# KiCad board haasoscope_pro_adc_fpga_board.kicad_pcb
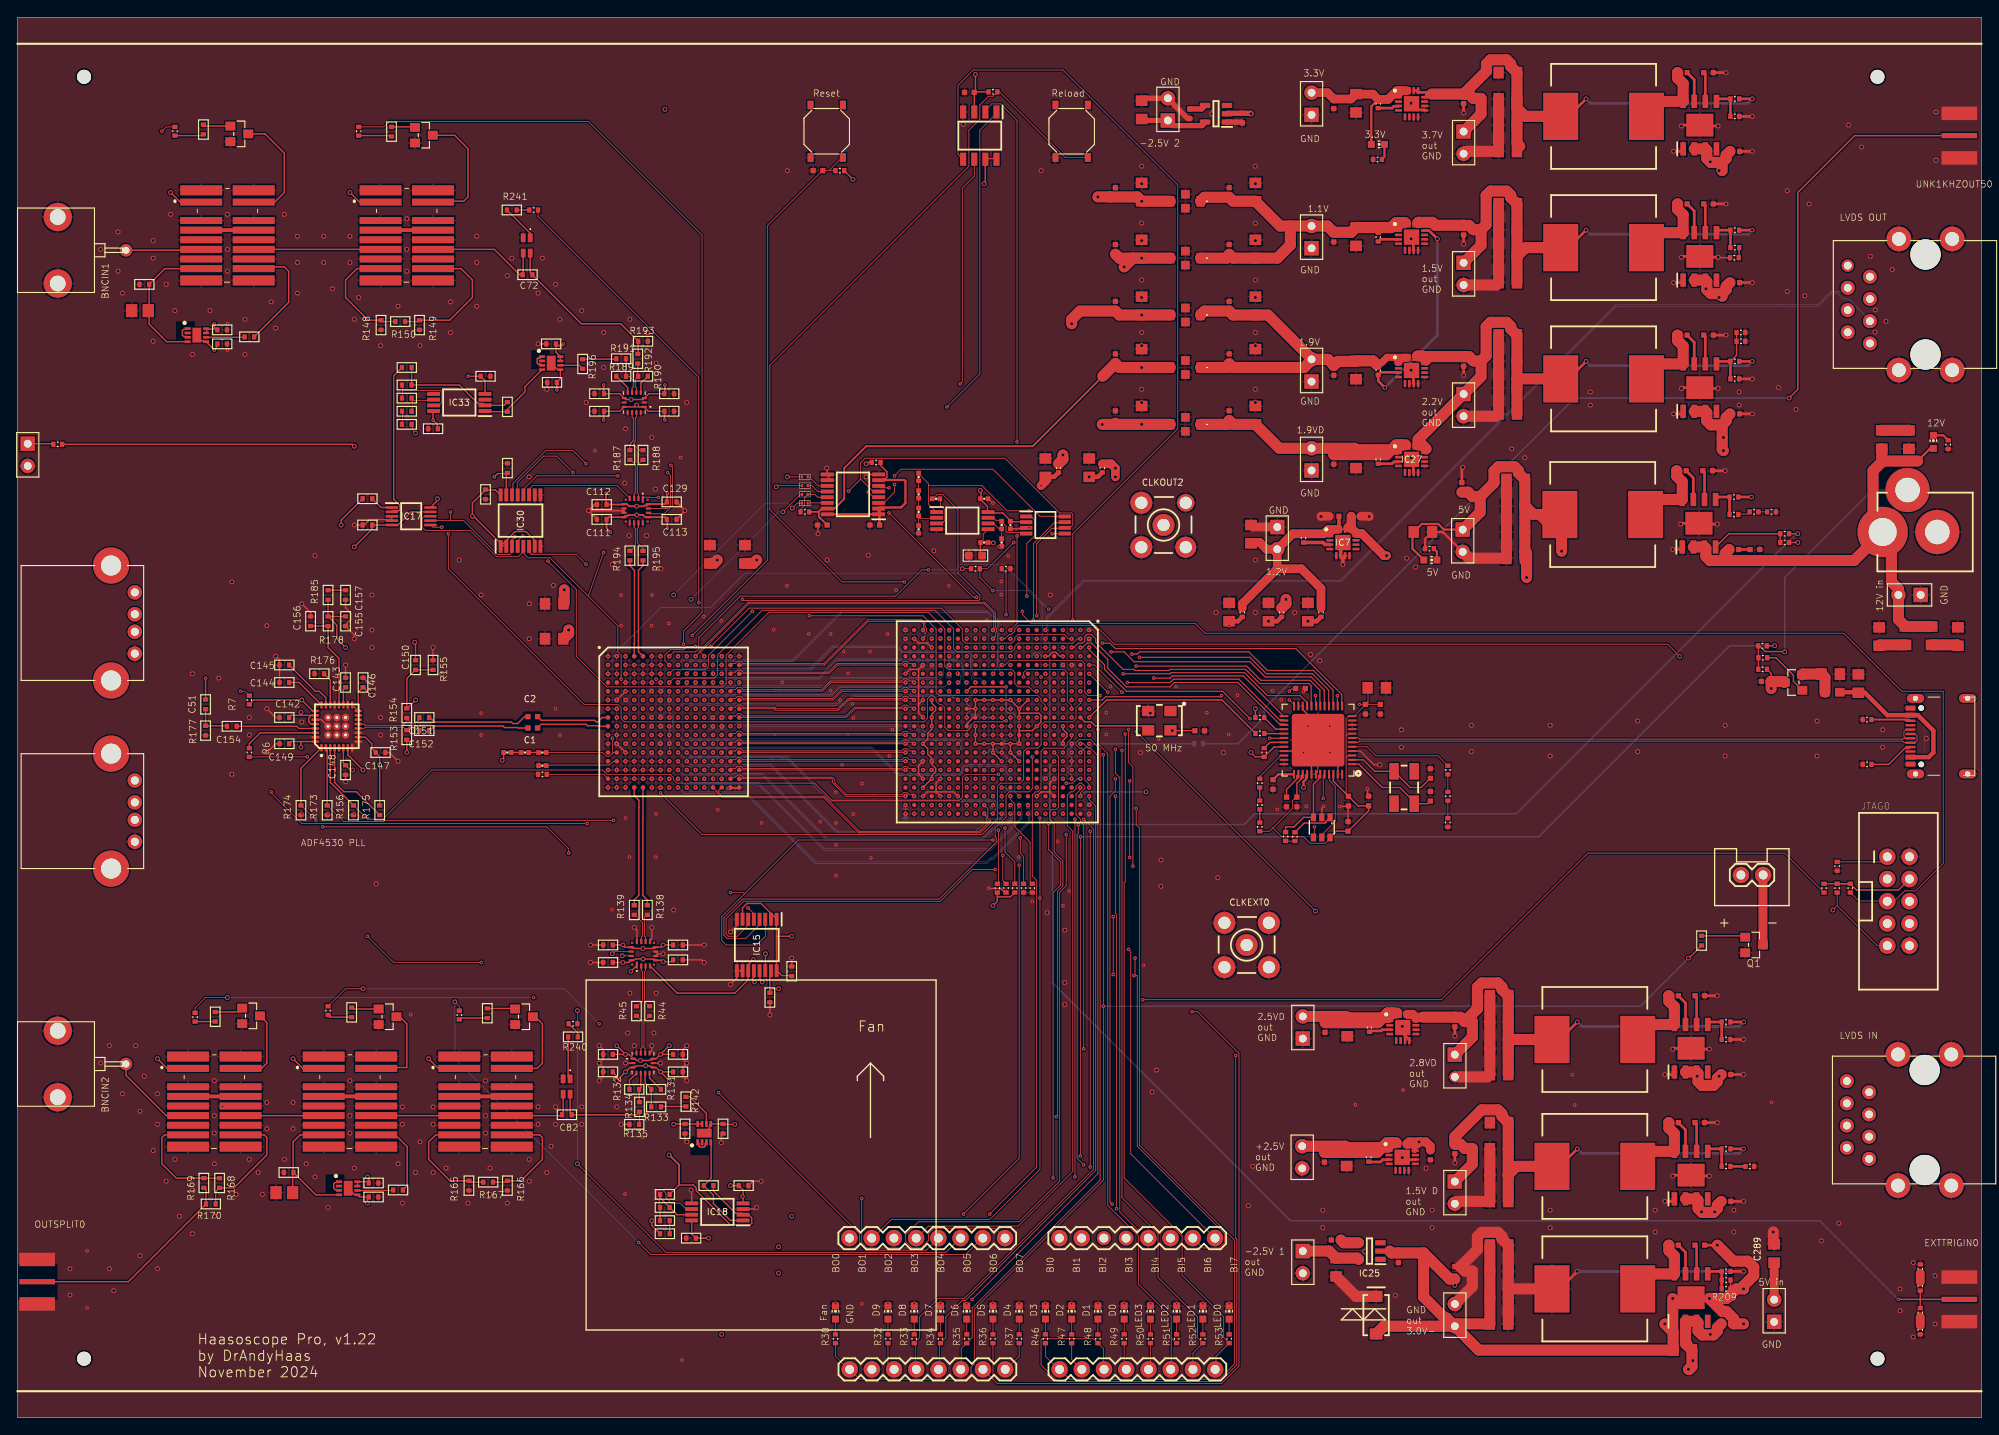
[diagram p0: board, top side]
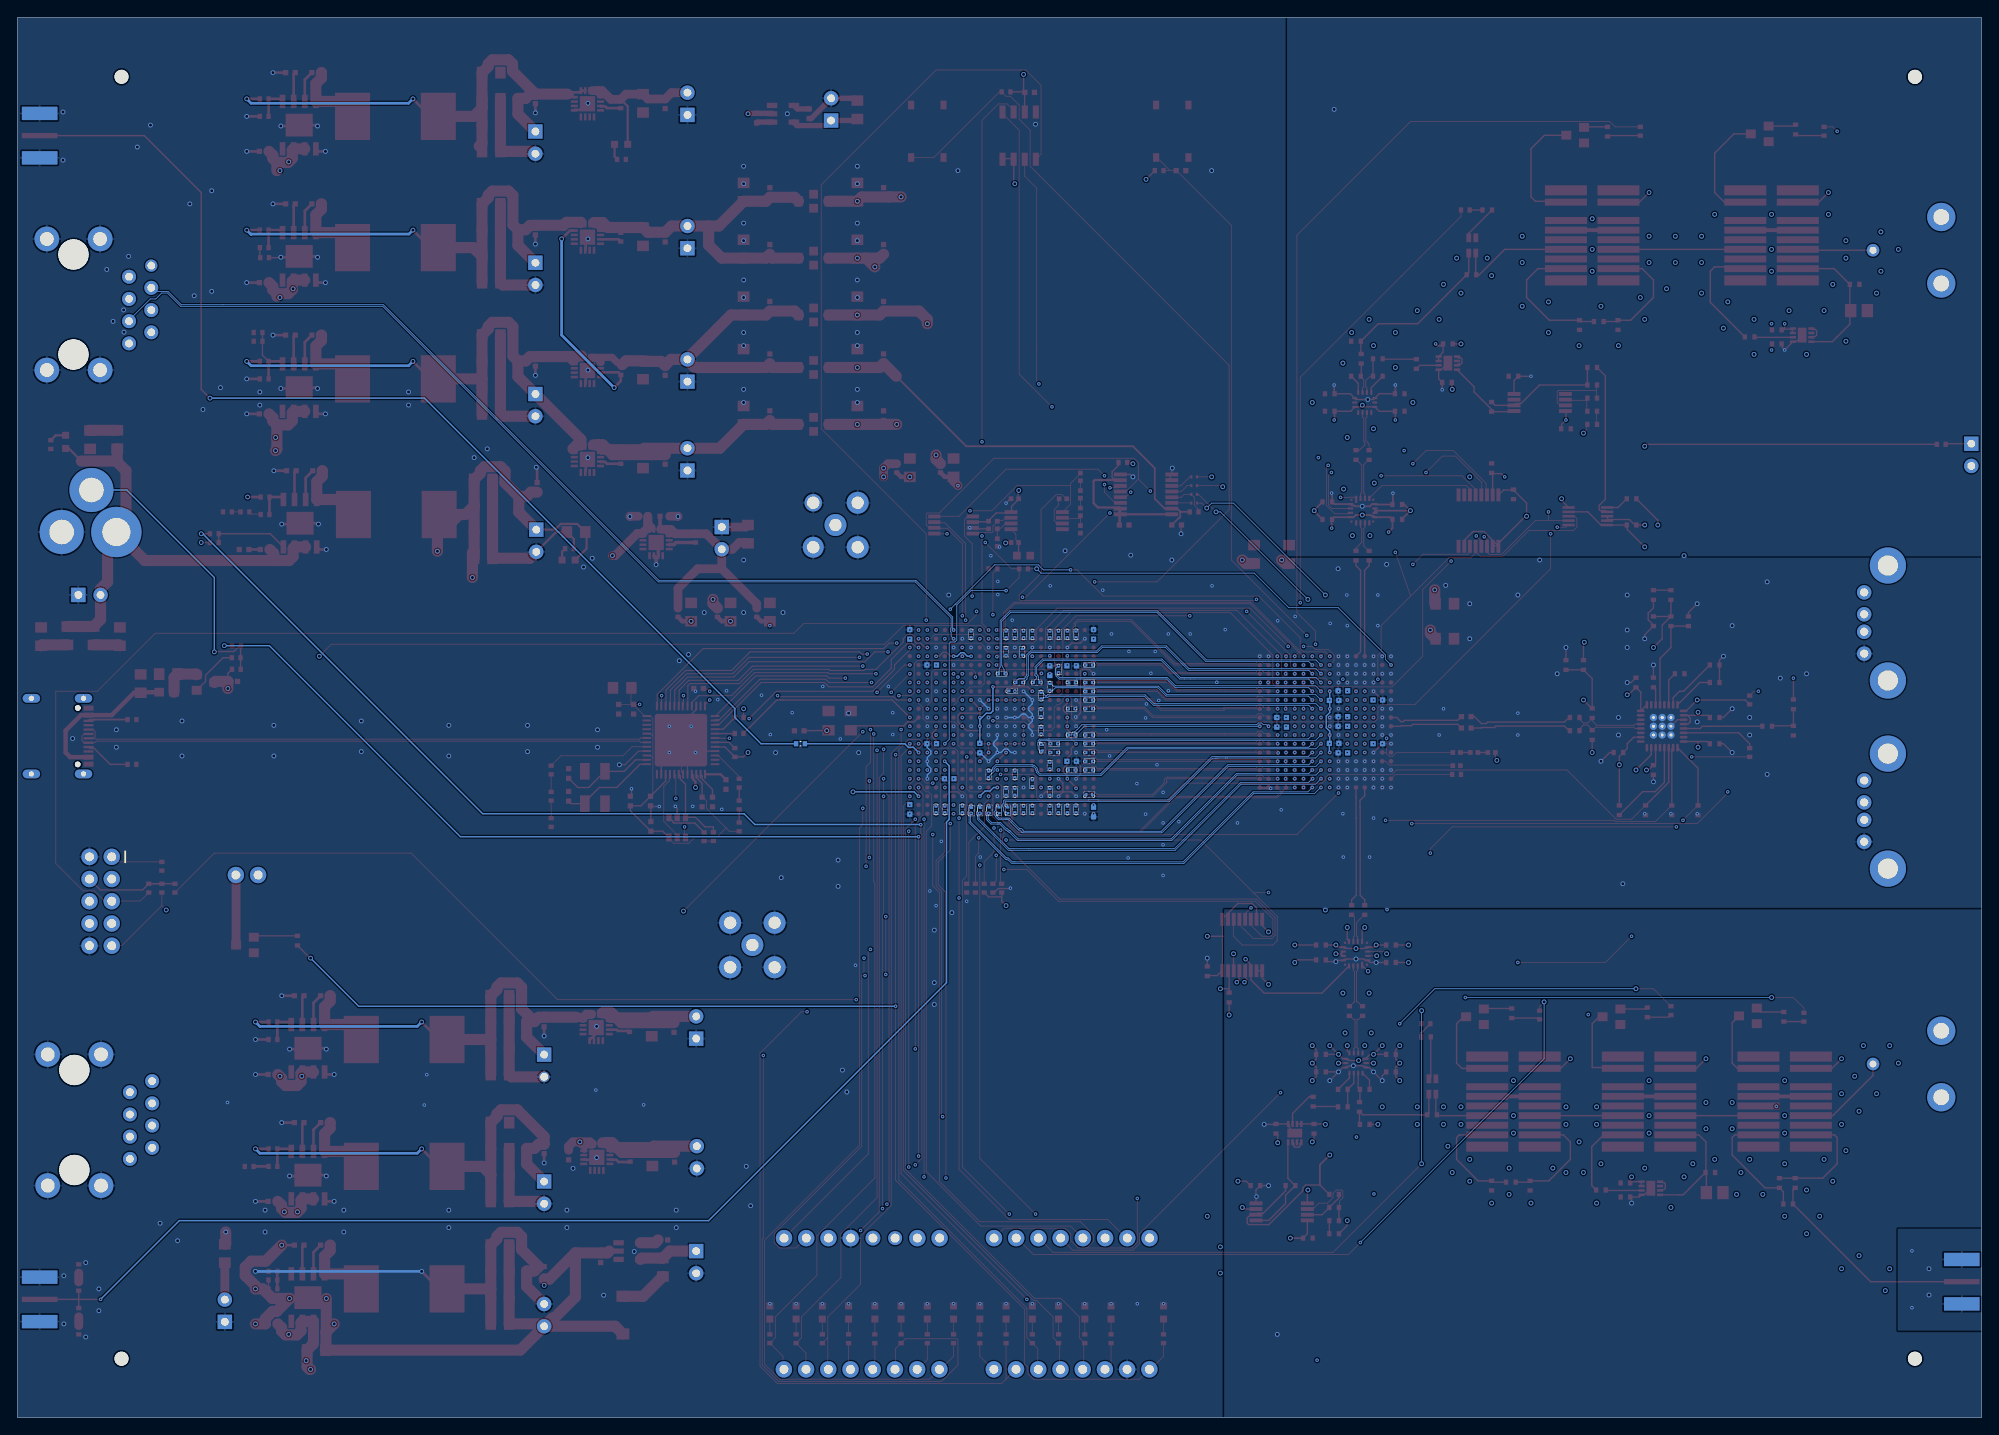
[diagram p1: board, bottom side, seen from below]

Outline 224.5 x 160 mm; copper layers: Top, In1.Cu, In2.Cu, In3.Cu, In4.Cu, In5.Cu, In6.Cu, In7.Cu, In8.Cu, Bottom. Coordinates in mm from the lower left corner of the outline.
Outline path: 0,160 0,0 224.5,0 224.5,160 0,160
Stack: Top 0.035mm / dielectric 0.1367mm FR4 er 4.5 / In1.Cu 0.035mm / dielectric 0.1367mm FR4 er 4.5 / In2.Cu 0.035mm / dielectric 0.1367mm FR4 er 4.5 / In3.Cu 0.035mm / dielectric 0.1367mm FR4 er 4.5 / In4.Cu 0.035mm / dielectric 0.1367mm FR4 er 4.5 / In5.Cu 0.035mm / dielectric 0.1367mm FR4 er 4.5 / In6.Cu 0.035mm / dielectric 0.1367mm FR4 er 4.5 / In7.Cu 0.035mm / dielectric 0.1367mm FR4 er 4.5 / In8.Cu 0.035mm / dielectric 0.1367mm FR4 er 4.5 / Bottom 0.035mm

## Placement (name value [footprint] x y rotation side)
@HOLE0  -  [unnamed]  7.61 153.22 0 top
@HOLE1  -  [unnamed]  7.61 6.72 0 top
@HOLE2  -  [unnamed]  212.61 6.72 0 top
@HOLE3  -  [unnamed]  212.61 153.22 0 top
BNCIN1  MOLEX_BNC_73100-0105  [MOLEX-BNC-73100-0105]  8.5 133.4 270 top
BNCIN2  MOLEX_BNC_73100-0105  [MOLEX-BNC-73100-0105]  8.5 40.4 270 top
C1  47nF  [RESC0402_N_169009]  58.9 78.8 180 top
C2  47nF  [RESC0402_N_169009]  58.9 80.1 0 top
C3  0.1uF  [RESC0402_N_169009]  98 102 0 top
C4  0.1uF  [RESC0402_N_169009]  92 102 0 top
C5  NFM31PC276B0J3L  [NFM31HK103R1H3L]  133.5 113.5 180 top
C6  10uF  [RESC0805_N_169009]  141.5 114.5 270 top
C7  0.1uF  [RESC0402_N_169009]  138.5 114.5 270 top
C8  10uF  [RESC0805_N_169009]  128.5 114.5 270 top
C9  0.1uF  [RESC0402_N_169009]  125.5 114.5 270 top
C10  10uF  [RESC0805_N_169009]  83.15 98.6 270 top
C11  1uF  [RESC0402_N_169009]  80 80 180 bottom
C12  0.1uF  [RESC0402_N_169009]  80 78.9 180 bottom
C13  10uF  [RESC0805_N_169009]  61.4 93 0 top
C14  1uF  [RESC0402_N_169009]  73 80.1 180 bottom
C15  NFM31PC276B0J3L  [NFM31HK103R1H3L]  133.5 120 180 top
C16  10uF  [RESC0805_N_169009]  141.5 121 270 top
C17  0.1uF  [RESC0402_N_169009]  138.5 121 270 top
C18  10uF  [RESC0805_N_169009]  128.5 121 270 top
C19  0.1uF  [RESC0402_N_169009]  125.5 121 270 top
C20  0.1uF  [RESC0402_N_169009]  73 79 180 bottom
C21  10uF  [RESC0805_N_169009]  61.4 89 0 top
C22  1uF  [RESC0402_N_169009]  73 83.05 180 bottom
C23  0.1uF  [RESC0402_N_169009]  69 82 0 bottom
C24  10uF  [RESC0805_N_169009]  79.15 98.6 270 top
C25  NFM31PC276B0J3L  [NFM31HK103R1H3L]  133.5 126 180 top
C26  10uF  [RESC0805_N_169009]  141.5 127 270 top
C27  0.1uF  [RESC0402_N_169009]  138.5 127 270 top
C28  10uF  [RESC0805_N_169009]  128.5 127 270 top
C29  0.1uF  [RESC0402_N_169009]  125.5 127 270 top
C30  1uF  [RESC0402_N_169009]  74 77.05 0 bottom
C31  0.1uF  [RESC0402_N_169009]  74 81.95 0 bottom
C32  1uF  [RESC0402_N_169009]  73 75.95 180 bottom
C33  0.1uF  [RESC0402_N_169009]  69 77 0 bottom
C34  10uF  [RESC0805_N_169009]  122.5 108.5 270 top
C35  NFM31PC276B0J3L  [NFM31HK103R1H3L]  133.5 139 180 top
C36  10uF  [RESC0805_N_169009]  141.5 140 270 top
C37  0.1uF  [RESC0402_N_169009]  138.5 140 270 top
C38  10uF  [RESC0805_N_169009]  128.5 140 270 top
C39  0.1uF  [RESC0402_N_169009]  125.5 140 270 top
C40  10uF  [RESC0805_N_169009]  143 92 270 top
C41  10uF  [RESC0805_N_169009]  117.5 108.5 270 top
C42  10uF  [RESC0805_N_169009]  138.5 92 270 top
C43  10uF  [RESC0805_N_169009]  147.5 92 270 top
C44  0.1uF  [0402_CAP]  110.5 105 0 top
C45  NFM31PC276B0J3L  [NFM31HK103R1H3L]  133.5 132.5 180 top
C46  10uF  [RESC0805_N_169009]  141.5 133.5 270 top
C47  0.1uF  [RESC0402_N_169009]  138.5 133.5 270 top
C48  10uF  [RESC0805_N_169009]  128.5 133.5 270 top
C49  0.1uF  [RESC0402_N_169009]  125.5 133.5 270 top
C50  0.1uF  [0402_CAP]  113.5 102 270 top
C51  0.1uF  [C0402]  21.5 81.5 90 top
C52  10uF  [RESC0805_N_169009]  141 101 90 top
C53  0.1uF  [RESC0402_N_169009]  150.5 103 180 top
C54  0.1uF  [RESC0402_N_169009]  153 103 0 top
C55  0.1uF  [C0402]  23.4 124.3 0 top
C56  0.1uF  [C0402]  23.4 122.7 0 top
C57  ?10?  [C0805_348]  14 126.5 0 top
C58  0.1uF  [RESC0402_N_169009]  108.8 151.44 0 top
C59  0.1uF  [RESC0402_N_169009]  135.14 78.48 180 top
C60  0.1uF  [RESC0402_N_169009]  91.5 142.5 0 top
C61  0.1uF  [RESC0402_N_169009]  120 77 180 bottom
C62  0.1uF  [RESC0402_N_169009]  104 75 0 bottom
C63  0.1uF  [RESC0402_N_169009]  120 86 180 bottom
C64  0.1uF  [RESC0402_N_169009]  122.5 89.5 270 bottom
C65  0.1uF  [RESC0402_N_169009]  122.5 69.5 90 bottom
C66  0.1uF  [RESC0402_N_169009]  104 85.9 0 bottom
C67  0.1uF  [RESC0402_N_169009]  101.5 69.2 90 bottom
C68  0.1uF  [RESC0402_N_169009]  101.5 89.5 270 bottom
C69  0.1uF  [RESC0402_N_169009]  114.5 76.5 90 bottom
C70  0.1uF  [RESC0402_N_169009]  106.5 85.35 270 bottom
C71  0.1uF  [RESC0402_N_169009]  118 73 180 bottom
C72  RF_1uF  [C0402]  58.3 130.6 0 top
C73  0.1uF  [RESC0402_N_169009]  161.5 30 270 top
C74  0.1uF  [RESC0402_N_169009]  134 149 270 top
C75  0.1uF  [C0402]  40.7 26.8 0 top
C76  10uF  [RESC0805_N_169009]  128.5 149.5 90 top
C77  0.1uF  [RESC0402_N_169009]  140 148.5 270 top
C78  0.1uF  [C0402]  40.7 25.2 0 top
C79  ?10?  [C0805_348]  30.5 25.7 0 top
C82  RF_1uF  [C0402]  62.8 34.6 0 top
C84  0.1uF  [C0402]  67.5 41.5 180 top
C85  0.1uF  [C0402]  67.5 39.5 180 top
C86  0.1uF  [C0402]  75.5 41.5 0 top
C87  0.1uF  [C0402]  75.5 39.5 0 top
C88  0.1uF  [C0402]  75.5 54 0 top
C89  0.1uF  [C0402]  75.5 52.3 0 top
C90  0.1uF  [C0402]  67.5 54 180 top
C91  0.1uF  [C0402]  67.5 52 180 top
C92  0.1uF  [C0402]  86 48 270 top
C93  0.1uF  [C0402]  88.5 51 90 top
C94  0.1uF  [C0402]  76.3 33 270 top
C95  0.1uF  [C0402]  80.65 33 270 top
C96  0.1uF  [C0402]  77 20.5 180 top
C97  0.1uF  [C0402]  83 26.5 0 top
C98  0.1uF  [C0402]  40 102 180 top
C107  0.1uF  [C0402]  74.5 115 0 top
C108  0.1uF  [C0402]  74.5 117 0 top
C109  0.1uF  [C0402]  66.5 115 180 top
C110  0.1uF  [C0402]  66.5 117 180 top
C111  0.1uF  [C0402]  66.78 102.64 180 top
C112  0.1uF  [C0402]  66.78 104.34 180 top
C113  0.1uF  [C0402]  74.78 102.64 0 top
C114  0.1uF  [RESC0402_N_169009]  145.06 70.35 90 top
C115  0.1uF  [RESC0402_N_169009]  143.52 72.35 90 top
C116  0.1uF  [RESC0402_N_169009]  154.07 80.95 90 top
C117  0.1uF  [RESC0402_N_169009]  199.9 84.13 0 top
C118  10uF  [RESC0805_N_169009]  210.42 83.83 270 top
C119  0.1uF  [RESC0402_N_169009]  146.25 70.35 90 top
C120  10uF  [RESC0805_N_169009]  155.33 83.39 180 top
C121  0.1uF  [RESC0402_N_169009]  154.44 70.45 270 top
C122  0.1uF  [RESC0402_N_169009]  146.65 83.32 180 top
C123  0.1uF  [RESC0402_N_169009]  155.78 80.95 90 top
C124  0.1uF  [RESC0402_N_169009]  152.14 70.45 90 top
C125  0.1uF  [RESC0402_N_169009]  152.1 67.55 270 top
C126  10uF  [RESC0805_N_169009]  207.21 84.96 180 top
C127  16pF  [RESC0402_N_169009]  161.5 71 90 top
C128  16pF  [RESC0402_N_169009]  161.5 73.6 90 top
C129  0.1uF  [C0402]  74.78 104.64 0 top
C130  0.1uF  [C0402]  56 108.5 90 top
C131  0.1uF  [C0402]  53.5 105.5 270 top
C132  0.1uF  [C0402]  61 122.7 180 top
C133  0.1uF  [C0402]  61.1 118.3 180 top
C134  0.1uF  [C0402]  47.5 113 180 top
C135  0.1uF  [C0402]  53.5 119 0 top
C142  0.1uF  [C0402]  30.5 80 0 top
C143  0.1uF  [C0402]  39.5 84 90 top
C144  0.1uF  [C0402]  30.5 84 180 top
C145  0.1uF  [C0402]  30.5 86 0 top
C146  0.1uF  [C0402]  37.5 84 270 top
C147  0.1uF  [C0402]  41.5 76 180 top
C148  0.1uF  [C0402]  37.5 74 90 top
C149  0.1uF  [C0402]  30.5 77 180 top
C150  0.1uF  [C0402]  47.5 86 90 top
C151  0.1uF  [C0402]  46.5 80 180 top
C152  0.1uF  [C0402]  46.5 78.5 180 top
C154  0.1uF  [C0402]  24.5 79 180 top
C155  2.7nF  [C0402]  37.5 91 270 top
C156  680pF  [C0402]  33.5 91 90 top
C157  47nF  [C0402]  37.5 94 270 top
C242  10uF  [RESC0805_N_169009]  213.1 111.82 90 top
C243  10uF  [RESC0805_N_169009]  216.2 111.7 270 top
C244  10uF  [RESC0805_N_169009]  153 150.14 270 top
C245  0.1uF  [RESC0402_N_169009]  150.46 150.14 270 top
C246  10uF  [RESC0805_N_169009]  153 119.66 270 top
C247  0.1uF  [RESC0402_N_169009]  150.46 119.66 270 top
C248  10uF  [RESC0805_N_169009]  153 134.9 270 top
C249  0.1uF  [RESC0402_N_169009]  150.46 134.9 270 top
C250  0.1uF  [RESC0402_N_169009]  150.73 20.29 180 top
C251  10uF  [RESC0805_N_169009]  150.73 17.12 270 top
C252  0.1uF  [RESC0402_N_169009]  157.84 18.26 270 top
C253  10uF  [RESC0805_N_169009]  151.93 29.74 270 top
C254  0.1uF  [RESC0402_N_169009]  149.39 29.74 270 top
C255  10uF  [RESC0805_N_169009]  153 109.5 270 top
C256  0.1uF  [RESC0402_N_169009]  150.46 109.5 270 top
C257  10uF  [RESC0805_N_169009]  152 44.57 270 top
C258  0.1uF  [RESC0402_N_169009]  149.46 44.57 270 top
C259  0.1uF  [RESC0402_N_169009]  196.3 144.7 0 top
C260  0.1uF  [RESC0402_N_169009]  190.3 153.7 0 top
C261  1uF  [RESC0402_N_169009]  193.3 153.7 0 top
C262  0.1uF  [RESC0402_N_169009]  165.3 150.7 270 top
C263  0.1uF  [RESC0402_N_169009]  196.3 129.7 0 top
C264  0.1uF  [RESC0402_N_169009]  190.3 138.7 0 top
C265  1uF  [RESC0402_N_169009]  193.3 138.7 0 top
C266  0.1uF  [RESC0402_N_169009]  165.3 135.7 270 top
C267  0.1uF  [RESC0402_N_169009]  196.3 114.7 0 top
C268  0.1uF  [RESC0402_N_169009]  190.3 123.7 0 top
C269  1uF  [RESC0402_N_169009]  193.3 123.7 0 top
C270  0.1uF  [RESC0402_N_169009]  165.3 120.7 270 top
C271  0.1uF  [RESC0402_N_169009]  195.3 39.2 0 top
C272  0.1uF  [RESC0402_N_169009]  189.3 48.2 0 top
C273  1uF  [RESC0402_N_169009]  192.3 48.2 0 top
C274  0.1uF  [RESC0402_N_169009]  164.3 45.2 270 top
C275  0.1uF  [RESC0402_N_169009]  195.3 24.7 0 top
C276  0.1uF  [RESC0402_N_169009]  189.3 33.7 0 top
C277  1uF  [RESC0402_N_169009]  192.3 33.7 0 top
C278  0.1uF  [RESC0402_N_169009]  164.3 30.7 270 top
C279  0.1uF  [RESC0402_N_169009]  195.3 10.7 0 top
C280  0.1uF  [RESC0402_N_169009]  189.3 19.7 0 top
C281  1uF  [RESC0402_N_169009]  192.3 19.7 0 top
C282  0.1uF  [RESC0402_N_169009]  164.3 16.7 270 top
C283  0.1uF  [RESC0402_N_169009]  196.2 99.2 0 top
C284  0.1uF  [RESC0402_N_169009]  190.2 108.2 0 top
C285  1uF  [RESC0402_N_169009]  193.2 108.2 0 top
C286  0.1uF  [RESC0402_N_169009]  165.1 106.3 90 top
C287  10uF  [RESC0805_N_169009]  160.7 101.2 0 top
C288  10uF  [RESC0805_N_169009]  190.3 7.7 180 top
C289  10uF  [RESC0805_N_169009]  200.8 18.8 90 top
C290  22uF  [RESC0805_N_169009]  171.2 107.2 180 top
C291  22uF  [RESC0805_N_169009]  171.2 104.2 180 top
C292  22uF  [RESC0805_N_169009]  171.2 101.2 180 top
C293  22uF  [RESC0805_N_169009]  171.2 98.2 180 top
C294  22uF  [RESC0805_N_169009]  169.3 16.7 180 top
C295  22uF  [RESC0805_N_169009]  169.3 19.7 180 top
C296  22uF  [RESC0805_N_169009]  169.3 13.7 180 top
C297  22uF  [RESC0805_N_169009]  169.3 10.7 180 top
C298  22uF  [RESC0805_N_169009]  169.3 30.7 180 top
C299  22uF  [RESC0805_N_169009]  169.3 33.7 180 top
C300  22uF  [RESC0805_N_169009]  169.3 27.7 180 top
C301  22uF  [RESC0805_N_169009]  169.3 24.7 180 top
C302  22uF  [RESC0805_N_169009]  169.3 45.2 180 top
C303  22uF  [RESC0805_N_169009]  169.3 48.2 180 top
C304  22uF  [RESC0805_N_169009]  169.3 42.2 180 top
C305  22uF  [RESC0805_N_169009]  169.3 39.2 180 top
C306  22uF  [RESC0805_N_169009]  170.3 120.7 180 top
C307  22uF  [RESC0805_N_169009]  170.3 123.7 180 top
C308  22uF  [RESC0805_N_169009]  170.3 117.7 180 top
C309  22uF  [RESC0805_N_169009]  170.3 114.7 180 top
C310  22uF  [RESC0805_N_169009]  170.3 135.7 180 top
C311  22uF  [RESC0805_N_169009]  170.3 138.7 180 top
C312  22uF  [RESC0805_N_169009]  170.3 132.7 180 top
C313  22uF  [RESC0805_N_169009]  170.3 129.7 180 top
C314  22uF  [RESC0805_N_169009]  170.3 150.7 180 top
C315  22uF  [RESC0805_N_169009]  170.3 153.7 180 top
C316  22uF  [RESC0805_N_169009]  170.3 147.7 180 top
C317  22uF  [RESC0805_N_169009]  170.3 144.7 180 top
C318  0.1uF  [RESC0402_N_169009]  198.6 99.2 0 top
C319  10uF  [RESC0805_N_169009]  215.8 89.3 270 top
C320  10uF  [RESC0805_N_169009]  218.8 89.3 270 top
C321  10uF  [RESC0805_N_169009]  212.8 89.3 90 top
C322  10uF  [RESC0805_N_169009]  221.8 89.3 90 top
CLKEXT0  BU-SMB-V  [BU-SMB-V_133#2]  140.5 54 0 top
CLKOUT2  BU-SMB-V  [BU-SMB-V_133]  131 102 0 top
CN2  12Vin  [DCJACK_2MM_PTH]  226.8 101.2 90 top
D10  B340A  [SMA-DIODE_514]  155.3 11.7 90 top
EXTTRIGIN0  50  [SMA_EDGELAUNCH]  224 13.5 180 top
FB2  50mΩ 220Ω@100MHz 0603  [0603_512]  207.45 82.89 180 top
FL1  OPA859IDSGR  [SON50P200X200X80-9N]  78.5 32.5 90 top
FL2  OPA859IDSGR  [SON50P200X200X80-9N]  20.5 123.7 0 top
FL3  OPA859IDSGR  [SON50P200X200X80-9N]  37.8 26.2 0 top
FL4  OPA859IDSGR  [SON50P200X200X80-9N]  61 120.5 0 top
IC1  ADC12DL2500ACF  [BGA256C100P16X16_1700X1700X331]  75 79.5 0 top
IC2  SN74AVC4T774PWR  [SOP65P640X120-16N]  95.5 105.5 180 top
IC3  ADC122S021CIMM_NOPB  [SOP65P490X110-8N]  117.5 102 0 top
IC4  TLV9102IPWR  [SOP65P640X120-8N]  108 102.5 0 top
IC5  EP4CE30F23C6N  [BGA484C100P22X22_2300X2300X240]  112 79.5 270 top
IC6  EPCQ16ASI8N  [SOIC127P600X175-8N]  110 146.5 270 top
IC7  TPS7A7200RGTR  [QFN50P300X300X100-17N]  151.5 100 0 top
IC8  FT232HQ  [QFN48_8MM]  148.66 77.41 180 top
IC9  93LC56B  [SOT23-6]  149.09 67.44 180 top
IC10  TPS72325DBVR  [SOT95P280X145-5N]  137 149 180 top
IC13  LMH5401IRMST  [LMH5401IRMSR]  71.5 40.5 0 top
IC14  -  [LMH6401IRMZR]  71.5 53 90 top
IC15  SN74AVC4T774PWR  [SOP65P640X120-16N]  84.5 54 270 top
IC17  DAC8562SDGSR  [SOP50P490X110-10N]  45 103 0 top
IC18  TLV9102IPWR  [SOP65P640X120-8N]  80 23.5 180 top
IC21  LMH5401IRMST  [LMH5401IRMSR]  70.5 116 180 top
IC22  TPS7A7200RGTR  [QFN50P300X300X100-17N]  159.35 150.14 0 top
IC23  TPS7A7200RGTR  [QFN50P300X300X100-17N]  159.35 119.66 0 top
IC24  TPS7A7200RGTR  [QFN50P300X300X100-17N]  159.35 134.9 0 top
IC25  TPS72325DBVR  [SOT95P280X145-5N]  154.54 19.02 180 top
IC26  TPS7A7200RGTR  [QFN50P300X300X100-17N]  158.28 29.74 0 top
IC27  TPS7A7200RGTR  [QFN50P300X300X100-17N]  159.35 109.5 0 top
IC28  TPS7A7200RGTR  [QFN50P300X300X100-17N]  158.35 44.57 0 top
IC29  -  [LMH6401IRMZR]  70.78 103.64 270 top
IC30  SN74AVC4T774PWR  [SOP65P640X120-16N]  57.5 102.5 90 top
IC33  TLV9102IPWR  [SOP65P640X120-8N]  50.5 116 180 top
J1  2p-2.54  [H2-2.54_478]  1.17 110.02 0 top
J2  test1  [USB-2.0-A-THT-RA-TE_AMP-292303-1]  10.7 90.8 270 top
J3  2p-2.54  [H2-2.54_478]  144 100.5 0 top
J4  2p-2.54  [H2-2.54_478]  131.5 149.5 180 top
J8  8pin  [1X08_513#2]  119.1 20.5 0 top
J10  8pin  [1X08_513]  95.1 20.5 0 top
J11  8pin  [1X08_513]  112.9 5.5 180 top
J13  8pin  [1X08_513]  136.9 5.5 180 top
J15  test1  [USB-2.0-A-THT-RA-TE_AMP-292303-1]  10.7 69.3 270 top
J30  2p-2.54  [H2-2.54_478]  216.28 94.01 270 top
J31  2p-2.54  [H2-2.54_478]  147.92 150.14 180 top
J32  2p-2.54  [H2-2.54_478]  147.92 119.66 180 top
J33  2p-2.54  [H2-2.54_478]  147.92 134.9 180 top
J34  2p-2.54  [H2-2.54_478]  146.92 17.75 0 top
J35  2p-2.54  [H2-2.54_478#2]  146.85 29.74 180 top
J36  2p-2.54  [H2-2.54_478]  147.92 109.5 180 top
J37  2p-2.54  [H2-2.54_478]  146.92 44.57 180 top
J39  2p-2.54  [H2-2.54_478]  165.3 145.7 0 top
J40  2p-2.54  [H2-2.54_478]  165.3 130.7 0 top
J41  2p-2.54  [H2-2.54_478]  165.3 115.7 0 top
J42  2p-2.54  [H2-2.54_478#3]  164.3 40.2 0 top
J43  2p-2.54  [H2-2.54_478]  164.3 25.7 0 top
J44  2p-2.54  [H2-2.54_478#2]  164.3 11.7 0 top
J45  2p-2.54  [H2-2.54_478]  165.2 100.2 0 top
J46  2p-2.54  [H2-2.54_478]  200.8 12.2 180 top
JST_FAN0  Fan  [1X02]  197 62 0 top
JTAG0  2x5  [2X5-SHROUDED_513]  215 59 0 top
K1  G6K-2F-RF-T-TR03_DC5  [G6K2FRFTTR03DC5]  22.5 34.5 270 top
K2  G6K-2F-RF-T-TR03_DC5  [G6K2FRFTTR03DC5]  38 34.5 270 top
K3  G6K-2F-RF-T-TR03_DC5  [G6K2FRFTTR03DC5]  53.5 34.5 270 top
K4  G6K-2F-RF-T-TR03_DC5  [G6K2FRFTTR03DC5]  24 133.5 270 top
K5  G6K-2F-RF-T-TR03_DC5  [G6K2FRFTTR03DC5]  44.5 133.5 270 top
K6  TLP3475_TP,F  [TLP3475TPF]  58.21 133.95 180 top
K7  TLP3475_TP,F  [TLP3475TPF]  62.77 37.83 180 top
L1  10uH  [CDRH125]  181.3 148.7 270 top
L9  10uH  [CDRH125]  181.3 133.7 270 top
L10  10uH  [CDRH125]  181.3 118.7 270 top
L11  10uH  [CDRH125]  180.3 43.2 270 top
L12  10uH  [CDRH125]  180.3 28.7 270 top
L13  10uH  [CDRH125]  180.3 14.7 270 top
L14  10uH  [CDRH125]  181.2 103.2 270 top
LED1  red  [CHIP-LED0603]  155.5 145.5 270 top
LED2  red  [CHIP-LED0603]  219 111.5 0 top
LED3  red  [CHIP-LED0603]  161.5 98 270 top
LED25  red  [CHIP-LED0603]  114.5 12 0 top
LED26  red  [CHIP-LED0603]  111.5 12 0 top
LED27  red  [CHIP-LED0603]  108.5 12 0 top
LED28  red  [CHIP-LED0603]  105.5 12 0 top
LED29  red  [CHIP-LED0603]  102.5 12 0 top
LED30  red  [CHIP-LED0603]  99.5 12 0 top
LED32  red  [CHIP-LED0603]  93.5 12 0 top
LED41  red  [CHIP-LED0603]  138.5 12 0 top
LED42  red  [CHIP-LED0603]  135.5 12 0 top
LED43  red  [CHIP-LED0603]  132.5 12 0 top
LED44  red  [CHIP-LED0603]  129.5 12 0 top
LED45  red  [CHIP-LED0603]  126.5 12 0 top
LED46  red  [CHIP-LED0603]  123.5 12 0 top
LED47  red  [CHIP-LED0603]  120.5 12 0 top
LED48  red  [CHIP-LED0603]  117.5 12 0 top
OUTSPLIT0  50  [SMA_EDGELAUNCH]  0.22 15.52 0 top
PS2  LMR33630ADDA  [SOIC127P600X170-9N]  192.3 147.7 90 top
PS9  LMR33630ADDA  [SOIC127P600X170-9N]  192.3 132.7 90 top
PS10  LMR33630ADDA  [SOIC127P600X170-9N]  192.3 117.7 90 top
PS11  LMR33630ADDA  [SOIC127P600X170-9N]  191.3 42.2 90 top
PS12  LMR33630ADDA  [SOIC127P600X170-9N]  191.3 27.7 90 top
PS13  LMR33630ADDA  [SOIC127P600X170-9N]  191.3 13.7 90 top
PS14  LMR33630ADDA  [SOIC127P600X170-9N]  192.2 102.2 90 top
Q1  S8050  [SOT-23_477]  198.5 54 270 top
Q2  FDN340P  [SOT-23_477]  203 84 90 top
Q4  S8050  [SOT-23_477]  25.35 146.7 270 top
Q5  S8050  [SOT-23_477]  46.45 146.55 270 top
Q7  S8050  [SOT-23_477]  42.3 45.8 270 top
Q8  S8050  [SOT-23_477]  57.9 45.8 270 top
Q9  S8050  [SOT-23_477]  26.7 45.9 270 top
R1  100  [0201]  90 107.5 180 top
R2  100  [0201]  90 106.5 180 top
R3  100  [0201]  90 105.5 180 top
R4  100  [0201]  90 104.5 180 top
R5  10k  [RES-0402]  90 103.5 180 top
R6  1k  [RES-0402]  26.5 76 270 top
R7  1k  [RES-0402]  26.5 82 90 top
R8  1k  [RES-0402]  35.5 46.5 90 top
R9  1k  [RES-0402]  63.5 45 0 top
R10  1k  [RES-0402]  50.5 46 90 top
R11  1k  [RES-0402]  20.3 45.75 90 top
R12  1k  [RES-0402]  18 147 90 top
R13  1k  [RES-0402]  59 138 0 top
R14  1k  [RES-0402]  60 73.5 180 top
R15  0  [RES-0402]  98.15 109.15 0 top
R16  1k  [RES-0402]  109.5 97 0 top
R17  100  [0201]  109.65 87.5 90 bottom
R18  0  [RES-0402]  124 108.5 270 top
R19  100  [0201]  112 85 180 bottom
R20  100  [0201]  110 84 180 bottom
R21  100  [0201]  108 84 180 bottom
R22  1k  [RES-0402]  39 147 90 top
R23  100  [0201]  116.5 69.5 270 bottom
R24  100  [0201]  119.5 69.5 270 bottom
R25  100  [0201]  118.5 69.5 270 bottom
R26  100  [0201]  115.5 89.5 90 bottom
R27  10k  [RES-0402]  142 72.5 90 top
R28  1k  [RES-0402]  142 70 90 top
R29  1k  [RES-0402]  142 67.5 90 top